# Altium PCB OPA313复阻抗测量.PcbDoc
Units mm, origin at the board's own origin, x right, y up, seen from the top; angles counter-clockwise.
Board outline 30 x 20 mm, 2 copper layers (Top Layer, Bottom Layer); 13 components, 6 nets, 36 pads, 3 vias.
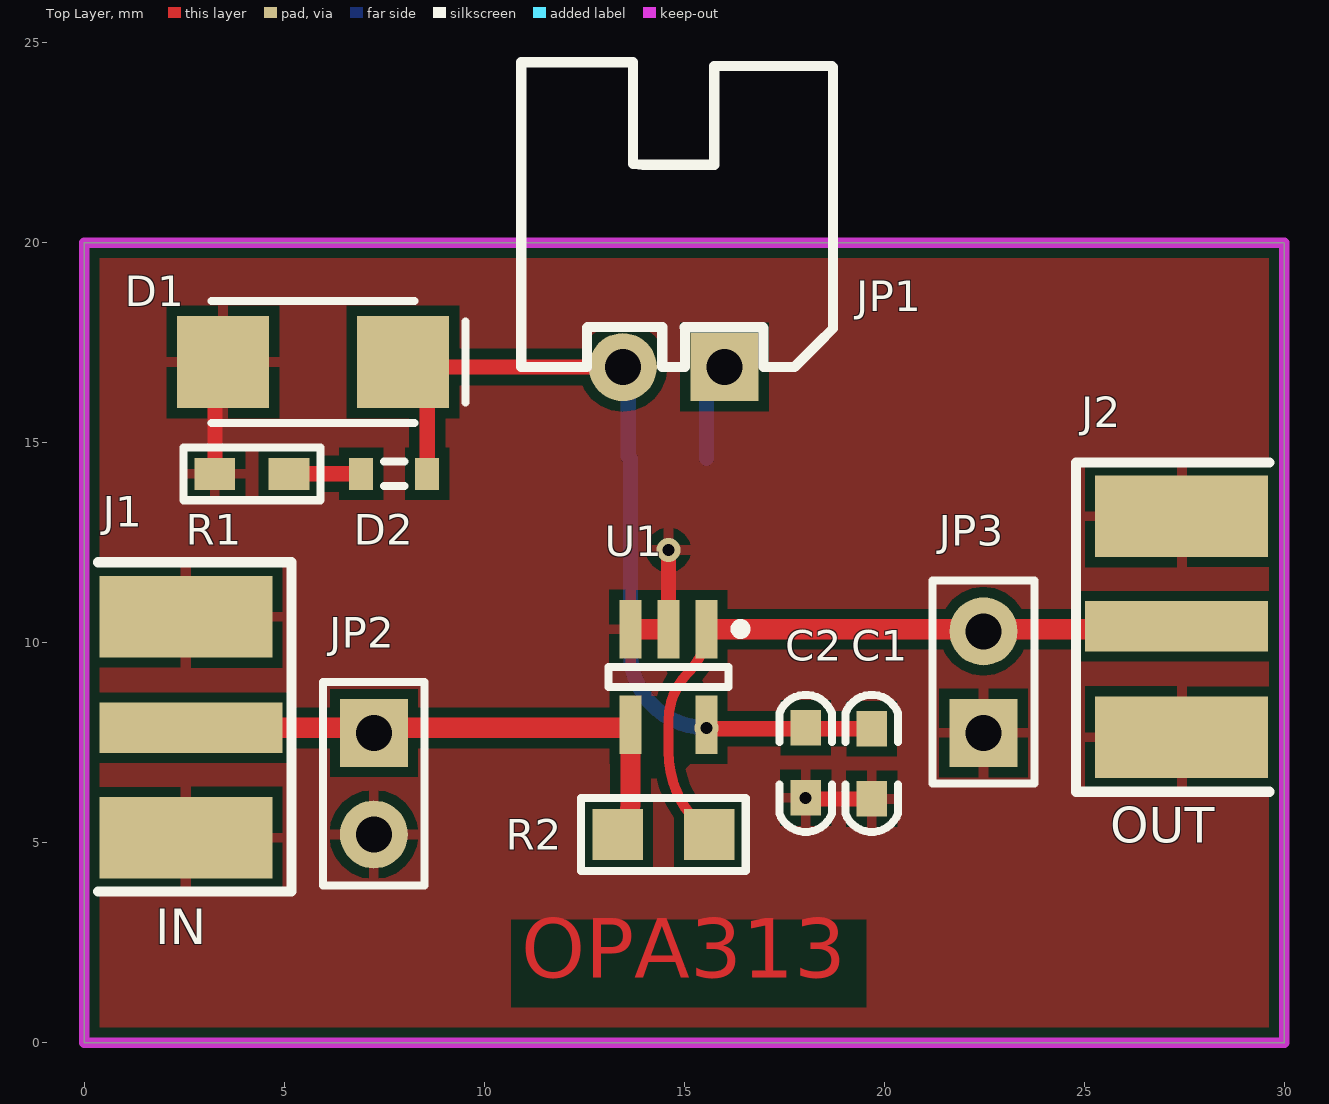
[diagram p0: Top Layer view]
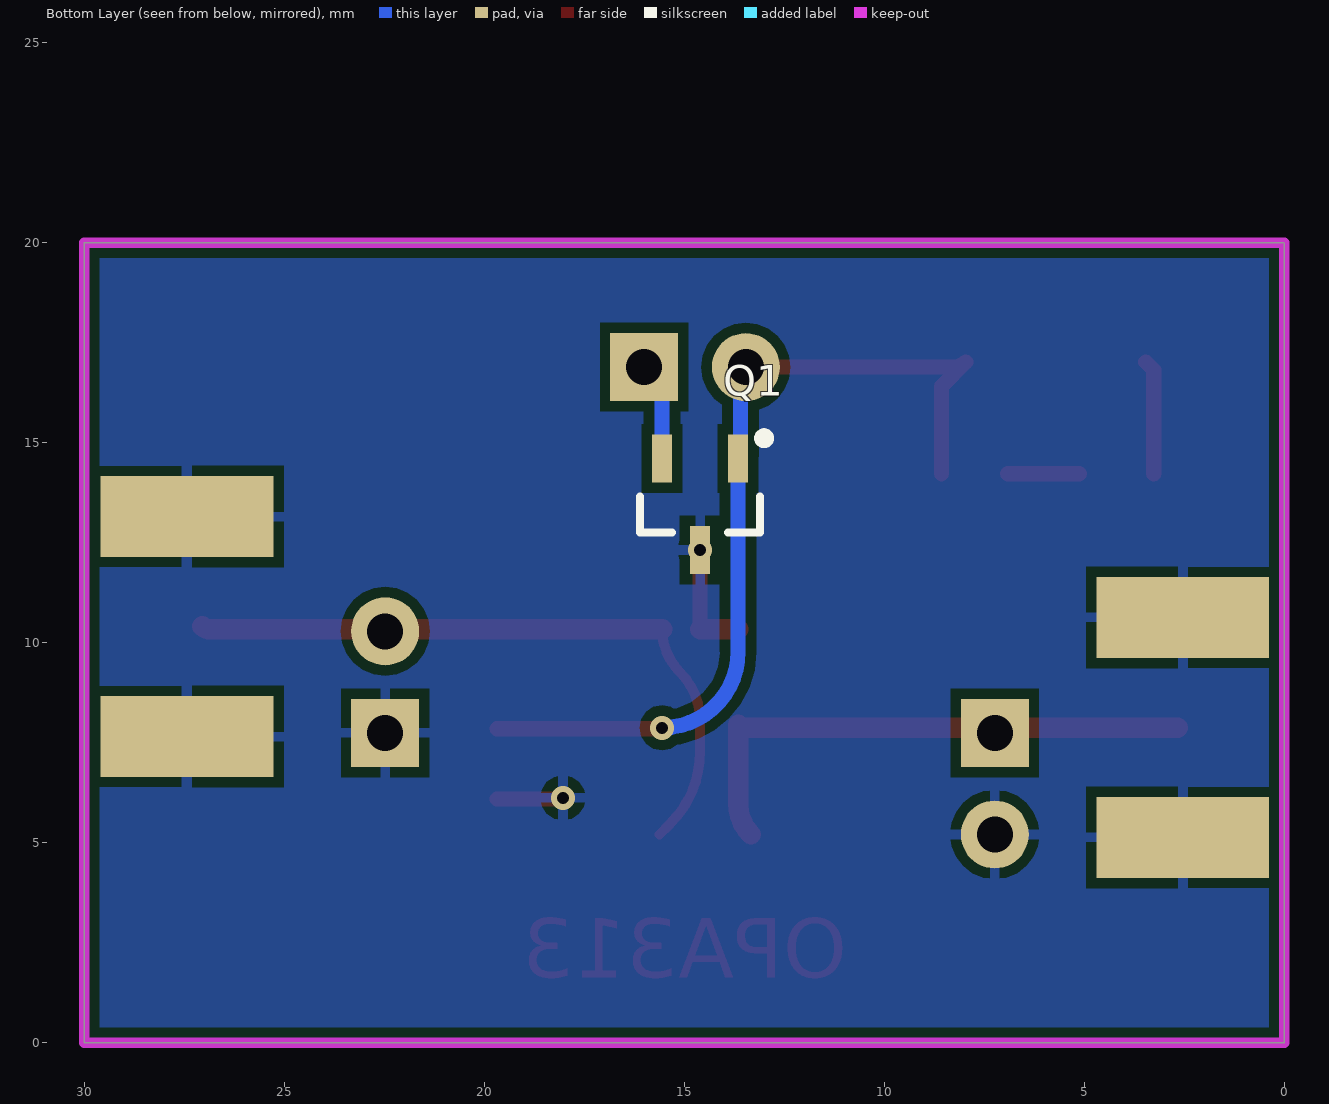
[diagram p1: Bottom Layer view, seen from below]

## Layer stack, top to bottom
Top Solder: solder mask 0.0102, Solder Resist, Dk 3.5
Top Layer: signal copper 0.0356
Dielectric 1: dielectric 0.32, FR-4, Dk 4.8
Bottom Layer: signal copper 0.0356
Bottom Solder: solder mask 0.0102, Solder Resist, Dk 3.5

## Board outline
0,0 30,0 30,20 0,20

## Design rules (kind name [scope] priority, off if disabled: settings)
Clearance [All] p1: gap=0.254 ignorepadtopadclearanceinfootprint=FALSE except(0: Arc-Hole Track-Hole SMDPad-Hole THPad-Hole Via-Hole Fill-Hole Poly-Hole Region-Hole Text-Hole)
HoleSize [All] p1: absolutevalues=TRUE maxlimit=3 minlimit=0.025 maxpercent=80.000 minpercent=20.000
HoleToHoleClearance [All] p1: gap=0 allowstackedmicrovias=TRUE
MinimumSolderMaskSliver [All] p1: minsoldermaskwidth=0
PolygonConnect [All] p1: connectstyle=Relief reliefconductorwidth=0.254 reliefentries=4 polygonreliefangle="90 Angle" airgapwidth=0.254
RoutingVias [All] p1: holewidth=0.3 width=0.6 viastyle="Through Hole" minholewidth=0.3 minwidth=0.6 maxholewidth=0.711 maxwidth=1.27
SilkToSilkClearance [All] p1: silktosilkclearance=0
SilkToSolderMaskClearance [IsPad] p1: minsilkscreentomaskgap=0 clearancetoexposedcopper=TRUE
SolderMaskExpansion [All] p1: expansion=0.102
Width [All] p1: maxlimit=2.54 minlimit=0.025 preferedwidth=0.508
25 further rules are at their usual default settings.

## Components (designator, comment, footprint, x,y, rotation, side; value= is the part's Value field where it differs from the comment)
C1 "104" "C 0603" 19.685,6.985 r90 top
C2 "1uF" "C 0603" 18.034,6.985 r270 top
D1 "TVS" DIODE-SMA 5.715,17.018 r0 top
D2 "LED" 0603 7.747,14.224 r180 top
J1 "COAX" MCX5.08-5-H 2.667,7.874 r0 top
J2 "COAX" MCX5.08-5-H 27.305,10.414 r180 top
JP1 "HDR-1X2" XH2.54-2P_H 16.002,16.891 r180 top
JP2 "HDR-1X2" HDR-1X2 7.239,7.747 r270 top
JP3 "HDR-1X2" HDR-1X2 22.479,7.747 r90 top
Q1 "SI2302" SOT23-3N 14.605,13.462 r0 bottom
R1 "1K" "R 0603" 4.191,14.224 r180 top
R2 "1K" "R 0805" 14.478,5.207 r0 top
U1 "OPA313" SOT23-5 14.605,9.144 r270 top

## Footprints (in the part's own frame and the unit in brackets; to place one, negate y for a bottom-side part, rotate by r counter-clockwise, add the part's x,y. Pads: shape width x height; smd on the part's side, far side on the other; paste and mask are expansions set on the pad)
0603 [mm] "2.1x0.8mm, =35mil, IPC High Density"
  rect 0.6x0.8 smd: 1(-0.825,0) 2(0.825,0)
  silkscreen extent -0.25,-0.3 0.25,0.3, body extent -0.85,-0.47 0.85,0.48, height 0.9
"C 0603" [mil] "无极性贴片电容"
  rect 35x30 smd: 1(-35,0) 2(34,0)
  silkscreen extent -67,-26 67,26, body extent -31,-16 31,16, height 32
DIODE-SMA [mm] "贴片二极管"
  rect 2.3x2.3 smd: 1(-2.25,0) 2(2.25,0)
  silkscreen extent -2.54,-1.52 3.81,1.52, body extent -2.92,-1.4 2.92,1.4, height 3
HDR-1X2 [mm] "排针，2脚"
  rect 1.7x1.7 hole 0.9: 1(0,0)
  round 1.7 hole 0.9: 2(2.54,0)
  silkscreen extent -1.27,-1.27 3.81,1.27, body extent -1.27,-1.27 3.81,1.27, height 8.5
MCX5.08-5-H [mil]
  rect 180x50 smd: 1(0,0)
  rect 170x80 smd: 2(-5,109.25) 5(-5,-108.27)
  rect 170x80 smd far side: 3(-5,108.66) 4(-5,-107.87)
  silkscreen extent -92,-161 99,163, body extent -93,-132 80,134, height 39
"R 0603" [mil] "1/10W贴片电阻"
  rect 40x31.5 smd: 1(-36.5,0) 2(36.5,0)
  silkscreen extent -68,-26 68,26, body extent -31,-16 32,16, height 16
"R 0805" [mil] "1/8W贴片电阻"
  rect 50x50 smd: 1(-45,0) 2(45,0)
  silkscreen extent -81,-36 81,36, body extent -39,-25 39,25, height 20
SOT23-3N [mm] "3x1.3x1mm(长宽高)"
  rect 0.5x1.2 smd: 1(-0.95,-1.143) 2(0.95,-1.143) 3(0,1.143)
  silkscreen extent -1.72,-1.78 1.5,0.7, body extent -1.5,-1.2 1.5,1.2, height 1.05
SOT23-5 [mil]
  rect 58x22 smd: 1(-47,37.4) 2(-47,0) 3(-47,-37.4) 4(47,-37.4) 5(47,37.4)
  silkscreen extent -52,-59 10,76, body extent -34,-59 34,59, height 57
XH2.54-2P_H [mm] "接插件，2P"
  rect 1.7x1.7 hole 0.9: 1(0,0)
  round 1.7 hole 0.9: 2(2.54,0)
  silkscreen extent -2.72,-7.62 5.08,0, body extent -2.5,-7.35 5.04,0.35, height 5.73

## Part data
C1 C2: library part C, "无极性贴片电容"
D1: "TVS保护", PackageDocument=Sep-1996, Code_JEDEC=DO-214-AB, LatestRevisionDate=17-Jul-2002, LatestRevisionNote="Re-released for DXP Platform.", PackageReference=SMC, Published=8-Jun-2000, Publisher="Altium Limited", Type=E5.0CA
D2: "发光二极管", LatestRevisionDate=08-Jul-2005, LatestRevisionNote="Mech Layer 1 removed.", PackageReference=LED, Published=8-Jun-2000, Publisher="Altium Limited"
JP1 JP2 JP3: library part "Header 2", "2P接插件", BOM名称=2P, 学习资源=www.oooc
Q1: "N沟道场效应管"
R1 R2: library part R, "贴片电阻"
U1: "1MHz，微功耗，低噪声，轨到轨输出入输出(RRIO)，1.8V CMOS 运算放大器 价值线系列"

## Via types
v1: diameter 0.6, hole 0.3, Top Layer to Bottom Layer, 3 vias

## Nets (pads, with @x,y where several pads share a name; then routed paths per layer and width w, separated by ;. In a path a pad name is that pad's centre, name@x,y a point inside that pad or via, vN(x,y) a via of type N, cw(c..) or ccw(c..) an arc to the next point about the centre after c; other vN are vias at no path point)
GND: C1.1 C2.2 D1.1 J1.2 J1.3 J1.4 J1.5 J2.2 J2.3 J2.4 J2.5 JP2.2 JP3.1 Q1.3 R1.2 U1.2 U1.3 | length 7.5
  Top Layer w0.381: R1.2 3.264,16.817 D1.1 ; U1.2 v1(14.605,12.319) ; v1(18.034,6.121) ccw(c18.059,6.121) 18.059,6.096 C1.1
  Top Layer w0.508: U1.3 U1.2
NetD2_2: D2.2 R1.1 | length 1.8
  Top Layer w0.381: R1.1 D2.2
NetJ1_1: J1.1 JP2.1 R2.1 U1.4 | length 13.8
  Top Layer w0.508: J1.1 13.471,7.874 ccw(c13.471,8.134) U1.4 13.655,5.98 cw(c12.562,5.98) R2.1
NetJ2_1: J2.1 JP3.2 R2.2 U1.1 | length 17.2
  Top Layer w0.254: U1.1 cw(c14.047,10.338) 15.113,9.271 ccw(c16.34,8.044) 14.605,8.044 14.605,7.275 ccw(c17.145,7.275) 15.349,5.479 R2.2
  Top Layer w0.508: U1.1 22.479,10.338 26.867,10.338 ccw(c26.867,10.598) J2.1@27.051,10.414
NetJP1_1: JP1.1 Q1.2 | length 2.5
  Bottom Layer w0.381: Q1.2 15.555,16.444 JP1.1
VCC: C1.2 C2.1 D1.2 D2.1 JP1.2 Q1.1 U1.5 | length 22.6
  Top Layer w0.381: D2.1 8.572,16.411 D1.2 ccw(c8.272,17.325) 8.272,16.891 JP1.2 ; U1.5@15.8,7.849 C1.2
  Bottom Layer w0.381: JP1.2 13.595,16.758 13.595,14.664 Q1.1 13.655,9.774 ccw(c15.555,9.774) v1(15.555,7.874)

## Polygon pours and split planes (outlines as drawn)
GND on Bottom Layer "Top Layer-No Net1" (solid, remove dead copper, pour order 1): 0,0 30,0 30,20 0,20
GND on Top Layer "Top Layer-No Net" (solid, remove dead copper, pour order 0): 0,0 30,0 30,20 0,20

## Keep-outs
Keep-Out Layer:
  the board outline again, w0.254

## Other copper
Top Layer:
  text "OPA313" at 10.922,1.143 h2.54

## Silkscreen, mask and mechanical layers (free items; w line width, h text height)
Top Overlay:
  text "OUT" at 25.654,4.699 h1.52
  text "IN" at 1.778,2.159 h1.52
Top Solder:
  rectangle: 14.351,0.762 28.321,3.429
  rectangle: 5.08,0.889 13.97,3.048